# KiCad board Joystick_breakout.kicad_pcb (continued)
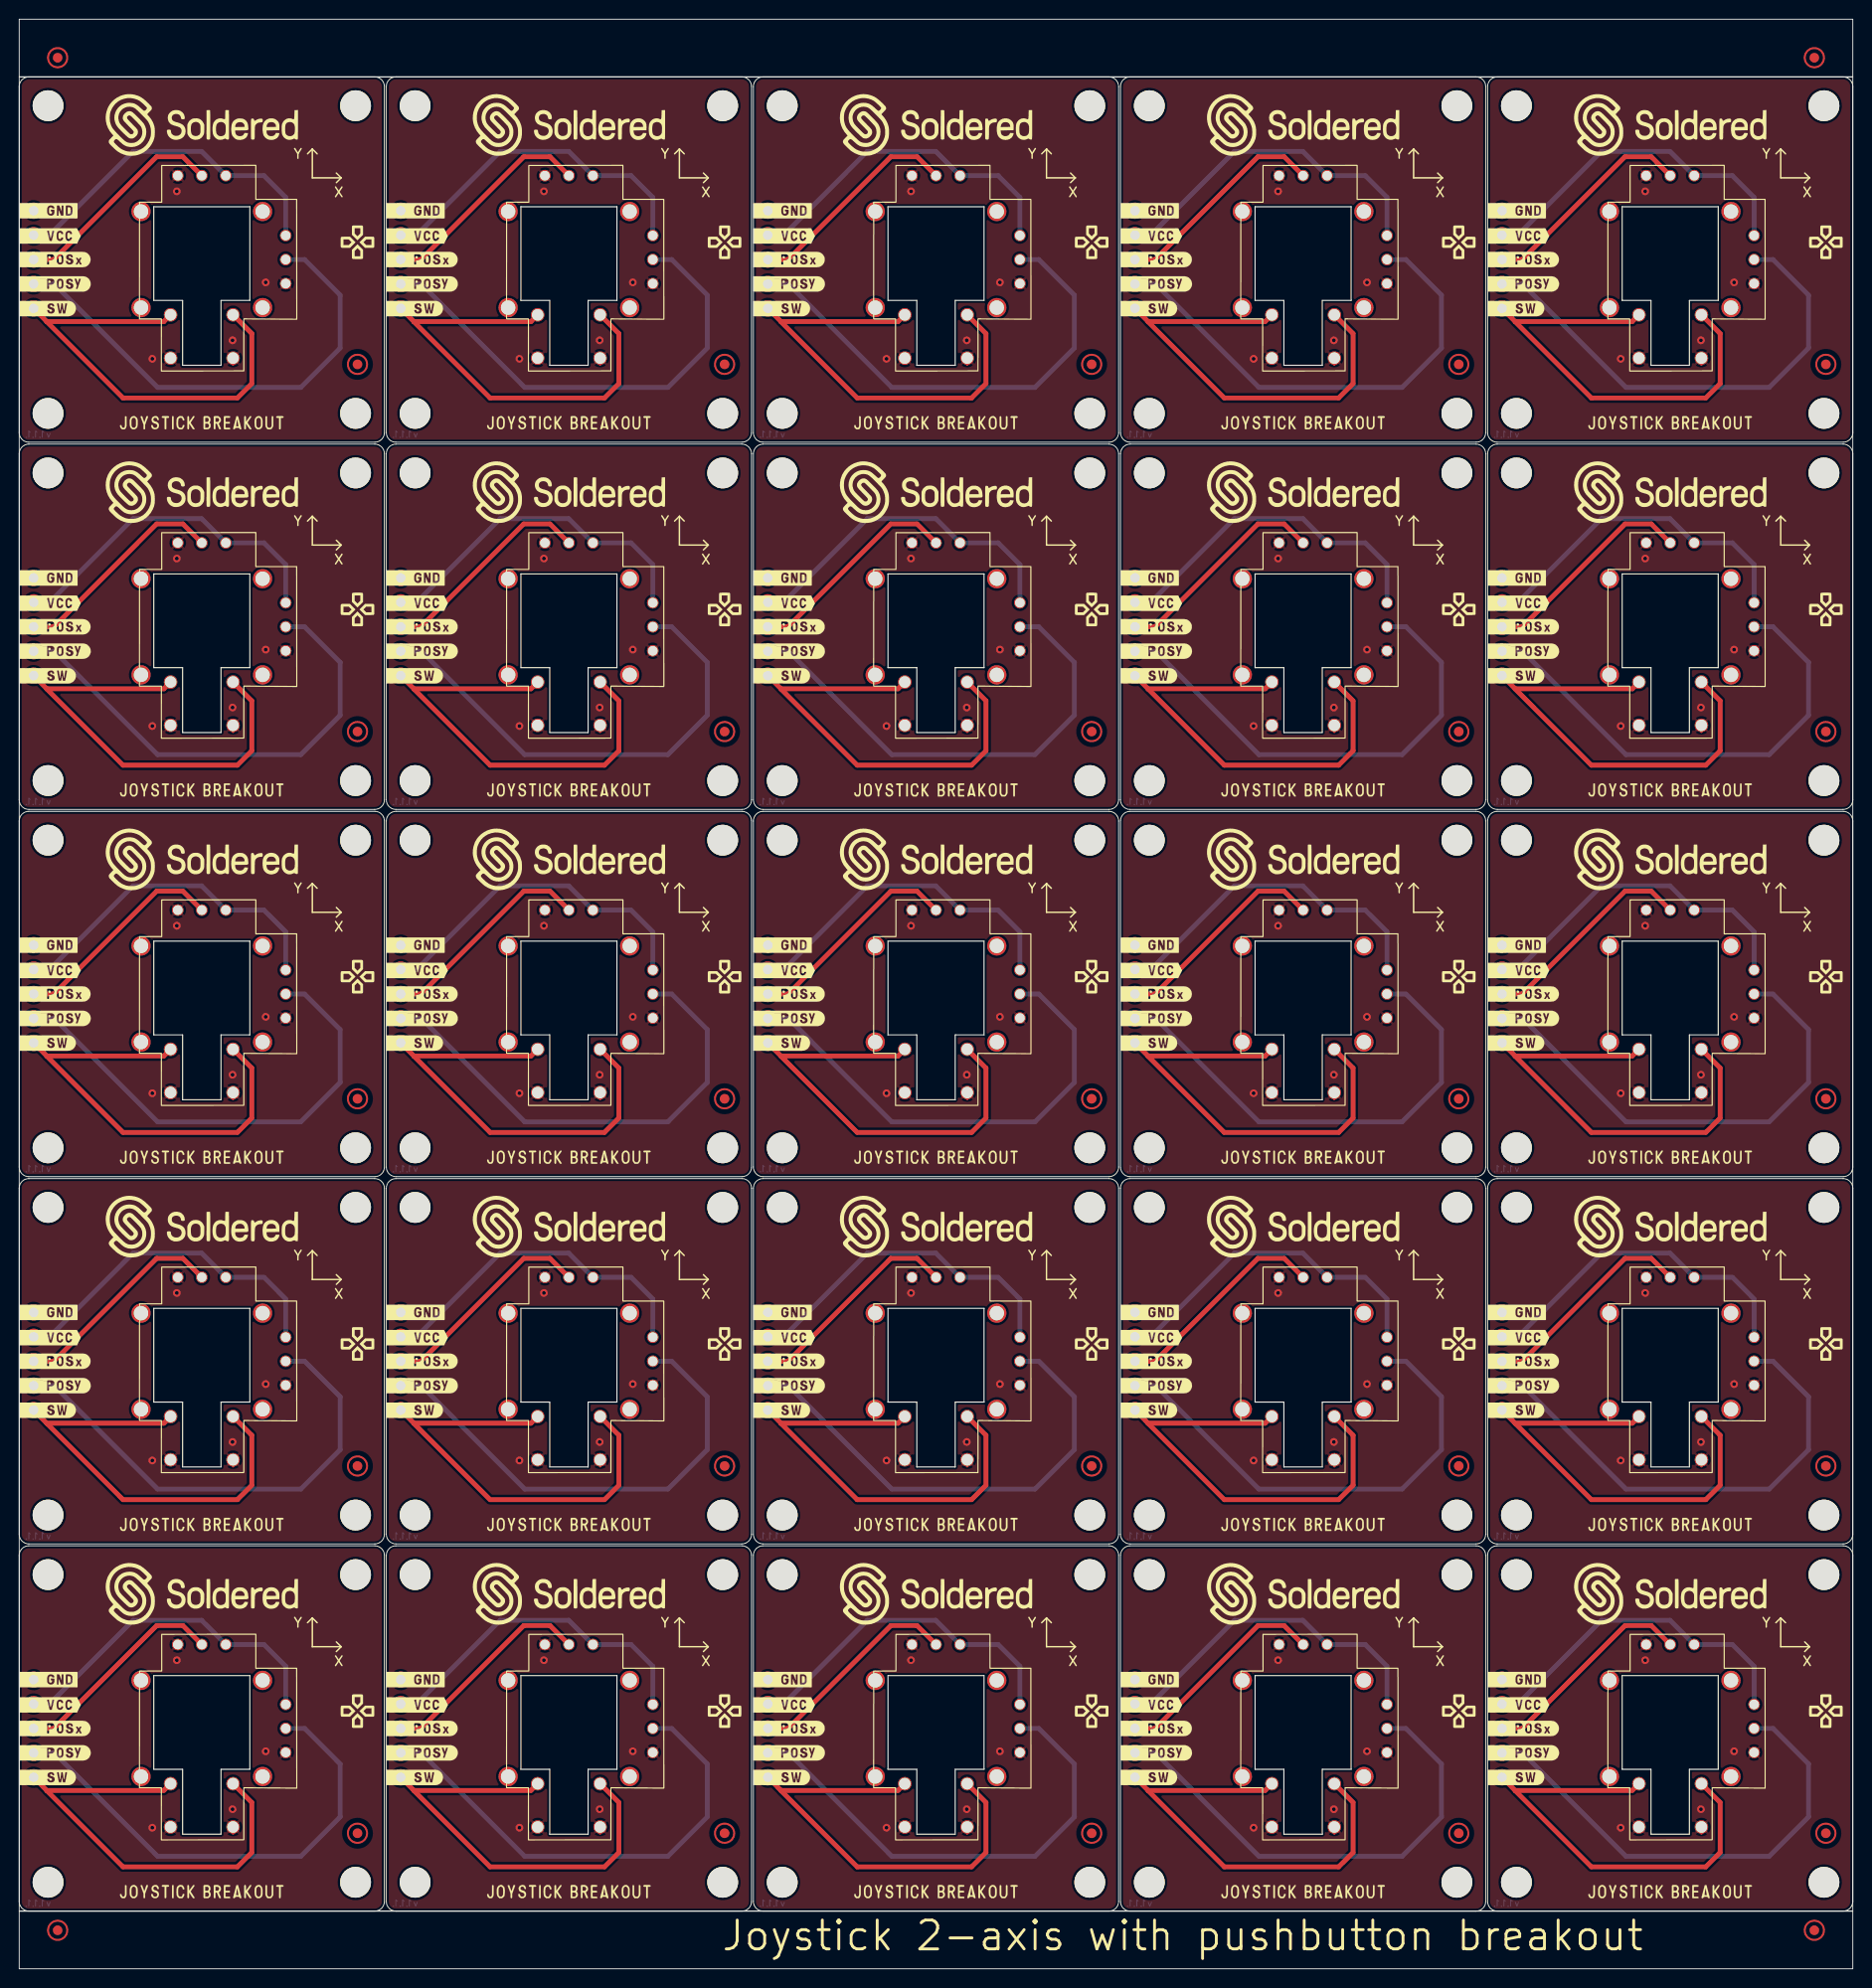
[diagram p0: board, top side]
## Placement (name value [footprint] x y rotation side) (continued)
NOREF  -  [buzzardLabel]  -0.4 60.66 0 top
NOREF#2  -  [buzzardLabel]  19 122.6 0 top
NOREF#3  -  [buzzardLabel]  76 19.9 0 top
NOREF#4  -  [buzzardLabel]  152.4 182.88 0 top
NOREF#5  -  [buzzardLabel]  152.4 144.68 0 top
NOREF#6  -  [buzzardLabel]  57.2 8 0 top
NOREF#7  -  [buzzardLabel]  76 58.1 0 top
NOREF#8  -  [buzzardLabel]  -0.4 137.06 0 top
NOREF#9  -  [buzzardLabel]  76 103.85 0 top
NOREF#10  -  [buzzardLabel]  95.4 46.2 0 top
NOREF#11  -  [buzzardLabel]  37.8 103.85 0 top
NOREF#12  -  [buzzardLabel]  171.8 160.8 0 top
NOREF#13  -  [buzzardLabel]  133.6 122.6 0 top
NOREF#14  -  [buzzardLabel]  19 46.2 0 top
NOREF#15  -  [buzzardLabel]  37.8 175.26 0 top
NOREF#16  -  [buzzardLabel]  133.6 8 0 top
NOREF#17  -  [buzzardLabel]  152.4 134.5 0 top
NOREF#18  -  [buzzardLabel]  114.2 19.9 0 top
NOREF#19  -  [buzzardLabel]  -0.4 65.65 0 top
NOREF#20  -  [buzzardLabel]  76 65.65 0 top
NOREF#21  -  [buzzardLabel]  -0.4 27.45 0 top
NOREF#22  -  [buzzardLabel]  114.2 98.86 0 top
NOREF#23  -  [buzzardLabel]  152.4 25 0 top
NOREF#24  -  [buzzardLabel]  114.2 106.48 0 top
NOREF#25  -  [buzzardLabel]  37.8 139.6 0 top
NOREF#26  -  [buzzardLabel]  37.8 177.8 0 top
NOREF#27  -  [buzzardLabel]  76 60.66 0 top
NOREF#28  -  [buzzardLabel]  37.8 106.48 0 top
NOREF#29  -  [buzzardLabel]  76 137.06 0 top
NOREF#30  -  [buzzardLabel]  37.8 96.3 0 top
NOREF#31  -  [buzzardLabel]  152.4 68.28 0 top
NOREF#32  -  [buzzardLabel]  95.4 8 0 top
NOREF#33  -  [buzzardLabel]  152.4 175.26 0 top
NOREF#34  -  [buzzardLabel]  37.8 30.08 0 top
NOREF#35  -  [buzzardLabel]  37.8 22.46 0 top
NOREF#36  -  [buzzardLabel]  76 22.46 0 top
NOREF#37  -  [buzzardLabel]  152.4 60.66 0 top
NOREF#38  -  [buzzardLabel]  76 182.88 0 top
NOREF#39  -  [buzzardLabel]  37.8 58.1 0 top
NOREF#40  -  [buzzardLabel]  76 139.6 0 top
NOREF#41  -  [buzzardLabel]  -0.4 177.8 0 top
NOREF#42  -  [buzzardLabel]  76 180.25 0 top
NOREF#43  -  [buzzardLabel]  -0.4 19.9 0 top
NOREF#44  -  [buzzardLabel]  -0.4 142.05 0 top
NOREF#45  -  [buzzardLabel]  -0.4 96.3 0 top
NOREF#46  -  [buzzardLabel]  114.2 63.2 0 top
NOREF#47  -  [buzzardLabel]  19 160.8 0 top
NOREF#48  -  [buzzardLabel]  114.2 103.85 0 top
NOREF#49  -  [buzzardLabel]  76 68.28 0 top
NOREF#50  -  [buzzardLabel]  152.4 19.9 0 top
NOREF#51  -  [buzzardLabel]  95.4 160.8 0 top
NOREF#52  -  [buzzardLabel]  114.2 142.05 0 top
NOREF#53  -  [buzzardLabel]  37.8 144.68 0 top
NOREF#54  -  [buzzardLabel]  37.8 182.88 0 top
NOREF#55  -  [buzzardLabel]  -0.4 101.4 0 top
NOREF#56  -  [buzzardLabel]  37.8 142.05 0 top
NOREF#57  -  [buzzardLabel]  19 84.4 0 top
NOREF#58  -  [buzzardLabel]  152.4 65.65 0 top
NOREF#59  -  [buzzardLabel]  114.2 134.5 0 top
NOREF#60  -  [buzzardLabel]  76 134.5 0 top
NOREF#61  -  [buzzardLabel]  114.2 96.3 0 top
NOREF#62  -  [buzzardLabel]  114.2 137.06 0 top
NOREF#63  -  [buzzardLabel]  152.4 142.05 0 top
NOREF#64  -  [buzzardLabel]  95.4 84.4 0 top
NOREF#65  -  [buzzardLabel]  -0.4 63.2 0 top
NOREF#66  -  [buzzardLabel]  -0.4 25 0 top
NOREF#67  -  [buzzardLabel]  133.6 46.2 0 top
NOREF#68  -  [buzzardLabel]  37.8 63.2 0 top
NOREF#69  -  [buzzardLabel]  -0.4 103.85 0 top
NOREF#70  -  [buzzardLabel]  -0.4 22.46 0 top
NOREF#71  -  [buzzardLabel]  152.4 172.7 0 top
NOREF#72  -  [buzzardLabel]  114.2 101.4 0 top
NOREF#73  -  [buzzardLabel]  -0.4 182.88 0 top
NOREF#74  -  [buzzardLabel]  114.2 144.68 0 top
NOREF#75  -  [buzzardLabel]  152.4 63.2 0 top
NOREF#76  -  [buzzardLabel]  37.8 98.86 0 top
NOREF#77  -  [buzzardLabel]  114.2 139.6 0 top
NOREF#78  -  [buzzardLabel]  -0.4 139.6 0 top
NOREF#79  -  [buzzardLabel]  37.8 60.66 0 top
NOREF#80  -  [buzzardLabel]  37.8 101.4 0 top
NOREF#81  -  [buzzardLabel]  57.2 84.4 0 top
NOREF#82  -  [buzzardLabel]  76 98.86 0 top
NOREF#83  -  [buzzardLabel]  114.2 172.7 0 top
NOREF#84  -  [buzzardLabel]  133.6 84.4 0 top
NOREF#85  -  [buzzardLabel]  19 8 0 top
NOREF#86  -  [buzzardLabel]  76 142.05 0 top
NOREF#87  -  [buzzardLabel]  95.4 122.6 0 top
NOREF#88  -  [buzzardLabel]  171.8 122.6 0 top
NOREF#89  -  [buzzardLabel]  152.4 180.25 0 top
NOREF#90  -  [buzzardLabel]  57.2 122.6 0 top
NOREF#91  -  [buzzardLabel]  152.4 58.1 0 top
NOREF#92  -  [buzzardLabel]  57.2 160.8 0 top
NOREF#93  -  [buzzardLabel]  76 27.45 0 top
NOREF#94  -  [buzzardLabel]  171.8 84.4 0 top
NOREF#95  -  [buzzardLabel]  76 96.3 0 top
NOREF#96  -  [buzzardLabel]  76 172.7 0 top
NOREF#97  -  [buzzardLabel]  152.4 27.45 0 top
NOREF#98  -  [buzzardLabel]  114.2 27.45 0 top
NOREF#99  -  [buzzardLabel]  -0.4 144.68 0 top
NOREF#100  -  [buzzardLabel]  37.8 172.7 0 top
NOREF#101  -  [buzzardLabel]  114.2 60.66 0 top
NOREF#102  -  [buzzardLabel]  152.4 106.48 0 top
NOREF#103  -  [buzzardLabel]  -0.4 98.86 0 top
NOREF#104  -  [buzzardLabel]  -0.4 175.26 0 top
NOREF#105  -  [buzzardLabel]  114.2 175.26 0 top
NOREF#106  -  [buzzardLabel]  171.8 46.2 0 top
NOREF#107  -  [buzzardLabel]  37.8 134.5 0 top
NOREF#108  -  [buzzardLabel]  76 177.8 0 top
NOREF#109  -  [buzzardLabel]  -0.4 172.7 0 top
NOREF#110  -  [buzzardLabel]  37.8 27.45 0 top
NOREF#111  -  [buzzardLabel]  37.8 65.65 0 top
NOREF#112  -  [buzzardLabel]  -0.4 106.48 0 top
NOREF#113  -  [buzzardLabel]  37.8 19.9 0 top
NOREF#114  -  [buzzardLabel]  37.8 180.25 0 top
NOREF#115  -  [buzzardLabel]  -0.4 134.5 0 top
NOREF#116  -  [buzzardLabel]  114.2 180.25 0 top
NOREF#117  -  [buzzardLabel]  152.4 22.46 0 top
NOREF#118  -  [buzzardLabel]  152.4 139.6 0 top
NOREF#119  -  [buzzardLabel]  57.2 46.2 0 top
NOREF#120  -  [buzzardLabel]  152.4 103.85 0 top
NOREF#121  -  [buzzardLabel]  -0.4 180.25 0 top
NOREF#122  -  [buzzardLabel]  114.2 58.1 0 top
NOREF#123  -  [buzzardLabel]  76 25 0 top
NOREF#124  -  [buzzardLabel]  152.4 137.06 0 top
NOREF#125  -  [buzzardLabel]  152.4 96.3 0 top
NOREF#126  -  [buzzardLabel]  152.4 177.8 0 top
NOREF#127  -  [buzzardLabel]  -0.4 30.08 0 top
NOREF#128  -  [buzzardLabel]  152.4 98.86 0 top
NOREF#129  -  [buzzardLabel]  114.2 177.8 0 top
NOREF#130  -  [buzzardLabel]  114.2 68.28 0 top
NOREF#131  -  [buzzardLabel]  76 106.48 0 top
NOREF#132  -  [buzzardLabel]  76 144.68 0 top
NOREF#133  -  [buzzardLabel]  114.2 65.65 0 top
NOREF#134  -  [buzzardLabel]  -0.4 58.1 0 top
NOREF#135  -  [buzzardLabel]  37.8 68.28 0 top
NOREF#136  -  [buzzardLabel]  -0.4 68.28 0 top
NOREF#137  -  [buzzardLabel]  76 30.08 0 top
NOREF#138  -  [buzzardLabel]  76 101.4 0 top
NOREF#139  -  [buzzardLabel]  114.2 22.46 0 top
NOREF#140  -  [buzzardLabel]  152.4 30.08 0 top
NOREF#141  -  [buzzardLabel]  114.2 30.08 0 top
NOREF#142  -  [buzzardLabel]  76 63.2 0 top
NOREF#143  -  [buzzardLabel]  133.6 160.8 0 top
NOREF#144  -  [buzzardLabel]  114.2 182.88 0 top
NOREF#145  -  [buzzardLabel]  37.8 137.06 0 top
NOREF#146  -  [buzzardLabel]  76 175.26 0 top
NOREF#147  -  [buzzardLabel]  114.2 25 0 top
NOREF#148  -  [buzzardLabel]  152.4 101.4 0 top
NOREF#149  -  [buzzardLabel]  171.8 8 0 top
NOREF#150  -  [buzzardLabel]  37.8 25 0 top
REF**  Logo-Front-SolderedFULL-20mm  [Logo-Back-SolderedFULL-20mm]  95.4 78.2 0 top
REF**#2  Logo-Front-SolderedFULL-20mm  [Logo-Back-SolderedFULL-20mm]  95.4 154.6 0 top
REF**#3  Logo-Front-SolderedFULL-20mm  [Logo-Back-SolderedFULL-20mm]  57.2 78.2 0 top
REF**#4  Logo-Front-SolderedFULL-20mm  [Logo-Back-SolderedFULL-20mm]  19 192.8 0 top
REF**#5  Logo-Front-SolderedFULL-20mm  [Logo-Back-SolderedFULL-20mm]  133.6 40 0 top
REF**#6  Logo-Front-SolderedFULL-20mm  [Logo-Back-SolderedFULL-20mm]  19 78.2 0 top
REF**#7  Logo-Front-SolderedFULL-20mm  [Logo-Back-SolderedFULL-20mm]  133.6 154.6 0 top
REF**#8  Logo-Front-SolderedFULL-20mm  [Logo-Back-SolderedFULL-20mm]  133.6 116.4 0 top
REF**#9  Logo-Front-SolderedFULL-20mm  [Logo-Back-SolderedFULL-20mm]  95.4 192.8 0 top
REF**#10  Logo-Front-SolderedFULL-20mm  [Logo-Back-SolderedFULL-20mm]  57.2 40 0 top
REF**#11  Logo-Front-SolderedFULL-20mm  [Logo-Back-SolderedFULL-20mm]  95.4 116.4 0 top
REF**#12  Logo-Front-SolderedFULL-20mm  [Logo-Back-SolderedFULL-20mm]  19 40 0 top
REF**#13  Logo-Front-SolderedFULL-20mm  [Logo-Back-SolderedFULL-20mm]  19 116.4 0 top
REF**#14  Logo-Front-SolderedFULL-20mm  [Logo-Back-SolderedFULL-20mm]  171.8 154.6 0 top
REF**#15  Logo-Front-SolderedFULL-20mm  [Logo-Back-SolderedFULL-20mm]  171.8 192.8 0 top
REF**#16  Logo-Front-SolderedFULL-20mm  [Logo-Back-SolderedFULL-20mm]  171.8 40 0 top
REF**#17  Logo-Front-SolderedFULL-20mm  [Logo-Back-SolderedFULL-20mm]  133.6 192.8 0 top
REF**#18  Logo-Front-SolderedFULL-20mm  [Logo-Back-SolderedFULL-20mm]  57.2 192.8 0 top
REF**#19  Logo-Front-SolderedFULL-20mm  [Logo-Back-SolderedFULL-20mm]  19 154.6 0 top
REF**#20  Logo-Front-SolderedFULL-20mm  [Logo-Back-SolderedFULL-20mm]  57.2 116.4 0 top
REF**#21  Logo-Front-SolderedFULL-20mm  [Logo-Back-SolderedFULL-20mm]  95.4 40 0 top
REF**#22  Logo-Front-SolderedFULL-20mm  [Logo-Back-SolderedFULL-20mm]  171.8 78.2 0 top
REF**#23  Logo-Front-SolderedFULL-20mm  [Logo-Back-SolderedFULL-20mm]  171.8 116.4 0 top
REF**#24  Logo-Front-SolderedFULL-20mm  [Logo-Back-SolderedFULL-20mm]  57.2 154.6 0 top
REF**#25  Logo-Front-SolderedFULL-20mm  [Logo-Back-SolderedFULL-20mm]  133.6 78.2 0 top
REF**#26  -  [Version1.1.1.]  116.53 45.03 180 bottom
REF**#27  Logo-Front-SolderedFULL-20mm  [Logo-Back-SolderedFULL-20mm]  133.6 153.6 180 bottom
REF**#28  -  [Version1.1.1.]  40.12 83.23 180 bottom
REF**#29  -  [Version1.1.1.]  40.12 159.62 180 bottom
REF**#30  -  [Version1.1.1.]  116.53 159.62 180 bottom
REF**#31  Logo-Front-SolderedFULL-20mm  [Logo-Back-SolderedFULL-20mm]  19 77.2 180 bottom
REF**#32  Logo-Front-SolderedFULL-20mm  [Logo-Back-SolderedFULL-20mm]  95.4 77.2 180 bottom
REF**#33  -  [Version1.1.1.]  78.32 6.83 180 bottom
REF**#34  -  [Version1.1.1.]  78.32 121.43 180 bottom
REF**#35  -  [Version1.1.1.]  116.53 6.83 180 bottom
REF**#36  -  [Version1.1.1.]  40.12 6.83 180 bottom
REF**#37  Logo-Front-SolderedFULL-20mm  [Logo-Back-SolderedFULL-20mm]  19 39 180 bottom
REF**#38  -  [Version1.1.1.]  78.32 159.62 180 bottom
REF**#39  -  [Version1.1.1.]  154.73 159.62 180 bottom
REF**#40  -  [Version1.1.1.]  40.12 121.43 180 bottom
REF**#41  -  [Version1.1.1.]  40.12 45.03 180 bottom
REF**#42  -  [Version1.1.1.]  116.53 83.23 180 bottom
REF**#43  Logo-Front-SolderedFULL-20mm  [Logo-Back-SolderedFULL-20mm]  171.8 39 180 bottom
REF**#44  Logo-Front-SolderedFULL-20mm  [Logo-Back-SolderedFULL-20mm]  171.8 115.4 180 bottom
REF**#45  Logo-Front-SolderedFULL-20mm  [Logo-Back-SolderedFULL-20mm]  57.2 77.2 180 bottom
REF**#46  Logo-Front-SolderedFULL-20mm  [Logo-Back-SolderedFULL-20mm]  133.6 77.2 180 bottom
REF**#47  -  [Version1.1.1.]  78.32 83.23 180 bottom
REF**#48  -  [Version1.1.1.]  154.73 45.03 180 bottom
REF**#49  -  [Version1.1.1.]  1.92 45.03 180 bottom
REF**#50  -  [Version1.1.1.]  154.73 83.23 180 bottom
REF**#51  -  [Version1.1.1.]  116.53 121.43 180 bottom
REF**#52  Logo-Front-SolderedFULL-20mm  [Logo-Back-SolderedFULL-20mm]  57.2 191.8 180 bottom
REF**#53  Logo-Front-SolderedFULL-20mm  [Logo-Back-SolderedFULL-20mm]  171.8 77.2 180 bottom
REF**#54  -  [Version1.1.1.]  1.92 6.83 180 bottom
REF**#55  -  [Version1.1.1.]  1.92 159.62 180 bottom
REF**#56  -  [Version1.1.1.]  1.92 83.23 180 bottom
REF**#57  Logo-Front-SolderedFULL-20mm  [Logo-Back-SolderedFULL-20mm]  57.2 153.6 180 bottom
REF**#58  Logo-Front-SolderedFULL-20mm  [Logo-Back-SolderedFULL-20mm]  133.6 115.4 180 bottom
REF**#59  Logo-Front-SolderedFULL-20mm  [Logo-Back-SolderedFULL-20mm]  133.6 191.8 180 bottom
REF**#60  -  [Version1.1.1.]  154.73 121.43 180 bottom
REF**#61  Logo-Front-SolderedFULL-20mm  [Logo-Back-SolderedFULL-20mm]  57.2 39 180 bottom
REF**#62  -  [Version1.1.1.]  154.73 6.83 180 bottom
REF**#63  Logo-Front-SolderedFULL-20mm  [Logo-Back-SolderedFULL-20mm]  133.6 39 180 bottom
REF**#64  -  [Version1.1.1.]  78.32 45.03 180 bottom
REF**#65  Logo-Front-SolderedFULL-20mm  [Logo-Back-SolderedFULL-20mm]  95.4 39 180 bottom
REF**#66  Logo-Front-SolderedFULL-20mm  [Logo-Back-SolderedFULL-20mm]  171.8 191.8 180 bottom
REF**#67  -  [Version1.1.1.]  1.92 121.43 180 bottom
REF**#68  Logo-Front-SolderedFULL-20mm  [Logo-Back-SolderedFULL-20mm]  57.2 115.4 180 bottom
REF**#69  Logo-Front-SolderedFULL-20mm  [Logo-Back-SolderedFULL-20mm]  95.4 153.6 180 bottom
REF**#70  Logo-Front-SolderedFULL-20mm  [Logo-Back-SolderedFULL-20mm]  171.8 153.6 180 bottom
REF**#71  Logo-Front-SolderedFULL-20mm  [Logo-Back-SolderedFULL-20mm]  19 191.8 180 bottom
REF**#72  Logo-Front-SolderedFULL-20mm  [Logo-Back-SolderedFULL-20mm]  95.4 191.8 180 bottom
REF**#73  Logo-Front-SolderedFULL-20mm  [Logo-Back-SolderedFULL-20mm]  19 153.6 180 bottom
REF**#74  Logo-Front-SolderedFULL-20mm  [Logo-Back-SolderedFULL-20mm]  19 115.4 180 bottom
REF**#75  Logo-Front-SolderedFULL-20mm  [Logo-Back-SolderedFULL-20mm]  95.4 115.4 180 bottom

## Footprints (pads in the part's own frame, mm; a bottom-side part is the same pattern mirrored in y, then rotated)
FIDUCIAL_23
  round 1 smd: 1(0,0)
HEADER_MALE_5X1
  round 1.7 hole 1: 1(-5.08,0) 2(-2.54,0) 3(0,0) 4(2.54,0) 5(5.08,0)
HOLE_3.2mm
  round 3.2 hole 3.2 unplated: (0,0)
joystick
  round 2 hole 1.5: (-6.325,5) (-6.325,-5) (6.325,5) (6.325,-5)
  round 1.4 hole 1.2: 1(-3.25,-10.25) 1(3.25,-10.25) 2(-3.25,-5.75) 2(3.25,-5.75)
  round 1.2 hole 1: 3(8.73,-2.5) 4(8.73,0) 5(8.73,2.5) 6(2.5,8.73) 7(0,8.73) 8(-2.5,8.73)

## Nets
GND: K1.1 K1.3 K1.8 K1#2.1 K1#2.3 K1#2.8 K1#3.1 K1#3.3 K1#3.8 K1#4.1 K1#4.3 K1#4.8 K1#5.1 K1#5.3 K1#5.8 K1#6.1 K1#6.3 K1#6.8 K1#7.1 K1#7.3 K1#7.8 K1#8.1 K1#8.3 K1#8.8 K1#9.1 K1#9.3 K1#9.8 K1#10.1 K1#10.3 K1#10.8 K1#11.1 K1#11.3 K1#11.8 K1#12.1 K1#12.3 K1#12.8 K1#13.1 K1#13.3 K1#13.8 K1#14.1 K1#14.3 K1#14.8 K1#15.1 K1#15.3 K1#15.8 K1#16.1 K1#16.3 K1#16.8 K1#17.1 K1#17.3 K1#17.8 K1#18.1 K1#18.3 K1#18.8 K1#19.1 K1#19.3 K1#19.8 K1#20.1 K1#20.3 K1#20.8 K1#21.1 K1#21.3 K1#21.8 K1#22.1 K1#22.3 K1#22.8 K1#23.1 K1#23.3 K1#23.8 K1#24.1 K1#24.3 K1#24.8 K1#25.1 K1#25.3 K1#25.8 K2.5 K2#2.5 K2#3.5 K2#4.5 K2#5.5 K2#6.5 K2#7.5 K2#8.5 K2#9.5 K2#10.5 K2#11.5 K2#12.5 K2#13.5 K2#14.5 K2#15.5 K2#16.5 K2#17.5 K2#18.5 K2#19.5 K2#20.5 K2#21.5 K2#22.5 K2#23.5 K2#24.5 K2#25.5
VCC: K1.5 K1.6 K1#2.5 K1#2.6 K1#3.5 K1#3.6 K1#4.5 K1#4.6 K1#5.5 K1#5.6 K1#6.5 K1#6.6 K1#7.5 K1#7.6 K1#8.5 K1#8.6 K1#9.5 K1#9.6 K1#10.5 K1#10.6 K1#11.5 K1#11.6 K1#12.5 K1#12.6 K1#13.5 K1#13.6 K1#14.5 K1#14.6 K1#15.5 K1#15.6 K1#16.5 K1#16.6 K1#17.5 K1#17.6 K1#18.5 K1#18.6 K1#19.5 K1#19.6 K1#20.5 K1#20.6 K1#21.5 K1#21.6 K1#22.5 K1#22.6 K1#23.5 K1#23.6 K1#24.5 K1#24.6 K1#25.5 K1#25.6 K2.4 K2#2.4 K2#3.4 K2#4.4 K2#5.4 K2#6.4 K2#7.4 K2#8.4 K2#9.4 K2#10.4 K2#11.4 K2#12.4 K2#13.4 K2#14.4 K2#15.4 K2#16.4 K2#17.4 K2#18.4 K2#19.4 K2#20.4 K2#21.4 K2#22.4 K2#23.4 K2#24.4 K2#25.4
POSx: K1.7 K1#2.7 K1#3.7 K1#4.7 K1#5.7 K1#6.7 K1#7.7 K1#8.7 K1#9.7 K1#10.7 K1#11.7 K1#12.7 K1#13.7 K1#14.7 K1#15.7 K1#16.7 K1#17.7 K1#18.7 K1#19.7 K1#20.7 K1#21.7 K1#22.7 K1#23.7 K1#24.7 K1#25.7 K2.3 K2#2.3 K2#3.3 K2#4.3 K2#5.3 K2#6.3 K2#7.3 K2#8.3 K2#9.3 K2#10.3 K2#11.3 K2#12.3 K2#13.3 K2#14.3 K2#15.3 K2#16.3 K2#17.3 K2#18.3 K2#19.3 K2#20.3 K2#21.3 K2#22.3 K2#23.3 K2#24.3 K2#25.3
POSy: K1.4 K1#2.4 K1#3.4 K1#4.4 K1#5.4 K1#6.4 K1#7.4 K1#8.4 K1#9.4 K1#10.4 K1#11.4 K1#12.4 K1#13.4 K1#14.4 K1#15.4 K1#16.4 K1#17.4 K1#18.4 K1#19.4 K1#20.4 K1#21.4 K1#22.4 K1#23.4 K1#24.4 K1#25.4 K2.2 K2#2.2 K2#3.2 K2#4.2 K2#5.2 K2#6.2 K2#7.2 K2#8.2 K2#9.2 K2#10.2 K2#11.2 K2#12.2 K2#13.2 K2#14.2 K2#15.2 K2#16.2 K2#17.2 K2#18.2 K2#19.2 K2#20.2 K2#21.2 K2#22.2 K2#23.2 K2#24.2 K2#25.2
SW: K1.2 K1#2.2 K1#3.2 K1#4.2 K1#5.2 K1#6.2 K1#7.2 K1#8.2 K1#9.2 K1#10.2 K1#11.2 K1#12.2 K1#13.2 K1#14.2 K1#15.2 K1#16.2 K1#17.2 K1#18.2 K1#19.2 K1#20.2 K1#21.2 K1#22.2 K1#23.2 K1#24.2 K1#25.2 K2.1 K2#2.1 K2#3.1 K2#4.1 K2#5.1 K2#6.1 K2#7.1 K2#8.1 K2#9.1 K2#10.1 K2#11.1 K2#12.1 K2#13.1 K2#14.1 K2#15.1 K2#16.1 K2#17.1 K2#18.1 K2#19.1 K2#20.1 K2#21.1 K2#22.1 K2#23.1 K2#24.1 K2#25.1

Pads without a net: FD1 1; FD1#2 1; FD1#3 1; FD1#4 1; FD1#5 1; FD1#6 1; FD1#7 1; FD1#8 1; FD1#9 1; FD1#10 1; FD1#11 1; FD1#12 1; FD1#13 1; FD1#14 1; FD1#15 1; FD1#16 1; FD1#17 1; FD1#18 1; FD1#19 1; FD1#20 1; FD1#21 1; FD1#22 1; FD1#23 1; FD1#24 1; FD1#25 1; FD1#26 1; FD1#27 1; FD1#28 1; FD1#29 1

## Via types
v1: diameter 0.8, hole 0.4, Top to Bottom, 100 vias

## Routing (per net, layer and track width the routed paths; a pad name or vN(x,y) marks a point on that pad's centre or on a via; arc(x,y) is an arc through that point)
GND: length 16.9
  Top w0.25: 136.85,166.87 K1#19.1 ; 175.05,14.07 K1#15.1 ; 136.85,90.47 K1#6.1 ; 98.65,166.87 K1#12.1 ; 175.05,166.87 K1#10.1 ; 22.25,166.87 K1#14.1 ; 98.65,14.07 K1#25.1 ; 22.25,90.47 K1#7.1 ; 136.85,128.67 K1#23.1 ; 60.45,14.07 K1#17.1 ; 60.45,128.67 K1.1 ; 60.45,166.87 K1#4.1 ; 136.85,52.27 K1#5.1 ; 60.45,90.47 K1#3.1 ; 136.85,14.07 K1#18.1 ; 98.65,128.67 K1#22.1 ; 22.25,14.07 K1#24.1 ; 22.25,52.27 K1#13.1 ; 98.65,90.47 K1#21.1 ; 175.05,52.27 K1#8.1 ; 175.05,90.47 K1#9.1 ; 60.45,52.27 K1#20.1 ; 175.05,128.67 K1#16.1 ; 98.65,52.27 K1#11.1 ; 22.25,128.67 K1#2.1
  vias: v1(13.85,167.48) v1(13.85,129.28) v1(13.85,91.08) v1(13.85,52.88) v1(13.85,14.68) v1(16.4,184.9) v1(16.4,146.7) v1(16.4,108.5) v1(16.4,70.3) v1(16.4,32.1) v1(22.2,169.4) v1(22.2,131.2) v1(22.2,93) v1(22.2,54.8) v1(22.2,16.6) v1(25.65,175.43) v1(25.65,137.23) v1(25.65,99.03) v1(25.65,60.83) v1(25.65,22.62) v1(52.05,167.48) v1(52.05,129.28) v1(52.05,91.08) v1(52.05,52.88) v1(52.05,14.68) v1(54.6,184.9) v1(54.6,146.7) v1(54.6,108.5) v1(54.6,70.3) v1(54.6,32.1) v1(60.4,169.4) v1(60.4,131.2) v1(60.4,93) v1(60.4,54.8) v1(60.4,16.6) v1(63.85,175.43) v1(63.85,137.23) v1(63.85,99.03) v1(63.85,60.83) v1(63.85,22.62) v1(90.25,167.48) v1(90.25,129.28) v1(90.25,91.08) v1(90.25,52.88) v1(90.25,14.68) v1(92.8,184.9) v1(92.8,146.7) v1(92.8,108.5) v1(92.8,70.3) v1(92.8,32.1) v1(98.6,169.4) v1(98.6,131.2) v1(98.6,93) v1(98.6,54.8) v1(98.6,16.6) v1(102.05,175.43) v1(102.05,137.23) v1(102.05,99.03) v1(102.05,60.83) v1(102.05,22.62) v1(128.45,167.48) v1(128.45,129.28) v1(128.45,91.08) v1(128.45,52.88) v1(128.45,14.68) v1(131,184.9) v1(131,146.7) v1(131,108.5) v1(131,70.3) v1(131,32.1) v1(136.8,169.4) v1(136.8,131.2) v1(136.8,93) v1(136.8,54.8) v1(136.8,16.6) v1(140.25,175.43) v1(140.25,137.23) v1(140.25,99.03) v1(140.25,60.83) v1(140.25,22.62) v1(166.65,167.48) v1(166.65,129.28) v1(166.65,91.08) v1(166.65,52.88) v1(166.65,14.68) v1(169.2,184.9) v1(169.2,146.7) v1(169.2,108.5) v1(169.2,70.3) v1(169.2,32.1) v1(175,169.4) v1(175,131.2) v1(175,93) v1(175,54.8) v1(175,16.6) v1(178.45,175.43) v1(178.45,137.23) v1(178.45,99.03) v1(178.45,60.83) v1(178.45,22.62)
VCC: length 894.7
  Bottom w0.5: K1#5.5 142.33,69.67 140.07,71.93 K1#5.6 133.58,74.45 126.45,74.45 117.74,65.74 K2#10.4 ; K1.5 65.93,146.07 63.67,148.33 K1.6 57.18,150.85 50.05,150.85 41.34,142.14 K2#24.4 ; K1#8.5 180.53,69.67 178.27,71.93 K1#8.6 171.78,74.45 164.65,74.45 155.94,65.74 K2#4.4 ; K2#3.4 3.14,65.74 11.85,74.45 18.98,74.45 K1#13.6 25.47,71.93 27.73,69.67 K1#13.5 ; K2#23.4 155.94,103.94 164.65,112.65 171.78,112.65 K1#9.6 178.27,110.13 180.53,107.87 K1#9.5 ; K2#16.4 3.14,142.14 11.85,150.85 18.98,150.85 K1#2.6 25.47,148.33 27.73,146.07 K1#2.5 ; K1#19.5 142.33,184.27 140.07,186.53 K1#19.6 133.58,189.05 126.45,189.05 117.74,180.34 K2#20.4 ; K2#11.4 3.14,103.94 11.85,112.65 18.98,112.65 K1#7.6 25.47,110.13 27.73,107.87 K1#7.5 ; K2.4 41.34,180.34 50.05,189.05 57.18,189.05 K1#4.6 63.67,186.53 65.93,184.27 K1#4.5 ; K2#17.4 117.74,142.14 126.45,150.85 133.58,150.85 K1#23.6 140.07,148.33 142.33,146.07 K1#23.5 ; K2#25.4 79.54,180.34 88.25,189.05 95.38,189.05 K1#12.6 101.87,186.53 104.13,184.27 K1#12.5 ; K1#16.5 180.53,146.07 178.27,148.33 K1#16.6 171.78,150.85 164.65,150.85 155.94,142.14 K2#18.4 ; K2#5.4 3.14,180.34 11.85,189.05 18.98,189.05 K1#14.6 25.47,186.53 27.73,184.27 K1#14.5 ; K1#6.5 142.33,107.87 140.07,110.13 K1#6.6 133.58,112.65 126.45,112.65 117.74,103.94 K2#15.4 ; K2#8.4 41.34,103.94 50.05,112.65 57.18,112.65 K1#3.6 63.67,110.13 65.93,107.87 K1#3.5 ; K2#22.4 3.14,27.54 11.85,36.25 18.98,36.25 K1#24.6 25.47,33.73 27.73,31.47 K1#24.5 ; K2#6.4 79.54,142.14 88.25,150.85 95.38,150.85 K1#22.6 101.87,148.33 104.13,146.07 K1#22.5 ; K2#13.4 79.54,65.74 88.25,74.45 95.38,74.45 K1#11.6 101.87,71.93 104.13,69.67 K1#11.5 ; K2#2.4 79.54,27.54 88.25,36.25 95.38,36.25 K1#25.6 101.87,33.73 104.13,31.47 K1#25.5 ; K1#18.5 142.33,31.47 140.07,33.73 K1#18.6 133.58,36.25 126.45,36.25 117.74,27.54 K2#19.4 ; K1#20.5 65.93,69.67 63.67,71.93 K1#20.6 57.18,74.45 50.05,74.45 41.34,65.74 K2#21.4 ; K1#17.5 65.93,31.47 63.67,33.73 K1#17.6 57.18,36.25 50.05,36.25 41.34,27.54 K2#14.4 ; K1#21.5 104.13,107.87 101.87,110.13 K1#21.6 95.38,112.65 88.25,112.65 79.54,103.94 K2#12.4 ; K2#7.4 155.94,180.34 164.65,189.05 171.78,189.05 K1#10.6 178.27,186.53 180.53,184.27 K1#10.5 ; K1#15.5 180.53,31.47 178.27,33.73 K1#15.6 171.78,36.25 164.65,36.25 155.94,27.54 K2#9.4
POSx: length 568.7
  Top w0.5: K1#24.7 17.03,35.7 14.3,35.7 3.6,25 K2#22.3 ; K1#7.7 17.03,112.1 14.3,112.1 3.6,101.4 K2#11.3 ; K2.3 41.8,177.8 52.5,188.5 55.23,188.5 K1#4.7 ; K1#5.7 131.63,73.9 128.9,73.9 118.2,63.2 K2#10.3 ; K1#21.7 93.43,112.1 90.7,112.1 80,101.4 K2#12.3 ; K1#14.7 17.03,188.5 14.3,188.5 3.6,177.8 K2#5.3 ; K2#17.3 118.2,139.6 128.9,150.3 131.63,150.3 K1#23.7 ; K2#19.3 118.2,25 128.9,35.7 131.63,35.7 K1#18.7 ; K2#18.3 156.4,139.6 167.1,150.3 169.83,150.3 K1#16.7 ; K1#12.7 93.43,188.5 90.7,188.5 80,177.8 K2#25.3 ; K2#7.3 156.4,177.8 167.1,188.5 169.83,188.5 K1#10.7 ; K2#16.3 3.6,139.6 14.3,150.3 17.03,150.3 K1#2.7 ; K1#11.7 93.43,73.9 90.7,73.9 80,63.2 K2#13.3 ; K1#25.7 93.43,35.7 90.7,35.7 80,25 K2#2.3 ; K2#3.3 3.6,63.2 14.3,73.9 17.03,73.9 K1#13.7 ; K1#15.7 169.83,35.7 167.1,35.7 156.4,25 K2#9.3 ; K2#23.3 156.4,101.4 167.1,112.1 169.83,112.1 K1#9.7 ; K1#17.7 55.23,35.7 52.5,35.7 41.8,25 K2#14.3 ; K2#4.3 156.4,63.2 167.1,73.9 169.83,73.9 K1#8.7 ; K2#20.3 118.2,177.8 128.9,188.5 131.63,188.5 K1#19.7 ; K1.7 55.23,150.3 52.5,150.3 41.8,139.6 K2#24.3 ; K1#6.7 131.63,112.1 128.9,112.1 118.2,101.4 K2#15.3 ; K1#3.7 55.23,112.1 52.5,112.1 41.8,101.4 K2#8.3 ; K2#6.3 80,139.6 90.7,150.3 93.43,150.3 K1#22.7 ; K1#20.7 55.23,73.9 52.5,73.9 41.8,63.2 K2#21.3
POSy: length 1268.9
  Bottom w0.5: K2#6.2 80.04,137.06 90.8,126.3 105.7,126.3 109.8,130.4 109.8,135.9 106.1,139.6 K1#22.4 ; K1#3.4 67.9,101.4 71.6,97.7 71.6,92.2 67.5,88.1 52.6,88.1 41.84,98.86 K2#8.2 ; K1#9.4 182.5,101.4 186.2,97.7 186.2,92.2 182.1,88.1 167.2,88.1 156.44,98.86 K2#23.2 ; K1#5.4 144.3,63.2 148,59.5 148,54 143.9,49.9 129,49.9 118.24,60.66 K2#10.2 ; K2#16.2 3.64,137.06 14.4,126.3 29.3,126.3 33.4,130.4 33.4,135.9 29.7,139.6 K1#2.4 ; K2#13.2 80.04,60.66 90.8,49.9 105.7,49.9 109.8,54 109.8,59.5 106.1,63.2 K1#11.4 ; K1#17.4 67.9,25 71.6,21.3 71.6,15.8 67.5,11.7 52.6,11.7 41.84,22.46 K2#14.2 ; K1#16.4 182.5,139.6 186.2,135.9 186.2,130.4 182.1,126.3 167.2,126.3 156.44,137.06 K2#18.2 ; K2#17.2 118.24,137.06 129,126.3 143.9,126.3 148,130.4 148,135.9 144.3,139.6 K1#23.4 ; K2#7.2 156.44,175.26 167.2,164.5 182.1,164.5 186.2,168.6 186.2,174.1 182.5,177.8 K1#10.4 ; K2#5.2 3.64,175.26 14.4,164.5 29.3,164.5 33.4,168.6 33.4,174.1 29.7,177.8 K1#14.4 ; K2#19.2 118.24,22.46 129,11.7 143.9,11.7 148,15.8 148,21.3 144.3,25 K1#18.4 ; K2#24.2 41.84,137.06 52.6,126.3 67.5,126.3 71.6,130.4 71.6,135.9 67.9,139.6 K1.4 ; K1#19.4 144.3,177.8 148,174.1 148,168.6 143.9,164.5 129,164.5 118.24,175.26 K2#20.2 ; K1#15.4 182.5,25 186.2,21.3 186.2,15.8 182.1,11.7 167.2,11.7 156.44,22.46 K2#9.2 ; K2#11.2 3.64,98.86 14.4,88.1 29.3,88.1 33.4,92.2 33.4,97.7 29.7,101.4 K1#7.4 ; K2#4.2 156.44,60.66 167.2,49.9 182.1,49.9 186.2,54 186.2,59.5 182.5,63.2 K1#8.4 ; K2#21.2 41.84,60.66 52.6,49.9 67.5,49.9 71.6,54 71.6,59.5 67.9,63.2 K1#20.4 ; K2#3.2 3.64,60.66 14.4,49.9 29.3,49.9 33.4,54 33.4,59.5 29.7,63.2 K1#13.4 ; K1#6.4 144.3,101.4 148,97.7 148,92.2 143.9,88.1 129,88.1 118.24,98.86 K2#15.2 ; K2#25.2 80.04,175.26 90.8,164.5 105.7,164.5 109.8,168.6 109.8,174.1 106.1,177.8 K1#12.4 ; K1#25.4 106.1,25 109.8,21.3 109.8,15.8 105.7,11.7 90.8,11.7 80.04,22.46 K2#2.2 ; K2.2 41.84,175.26 52.6,164.5 67.5,164.5 71.6,168.6 71.6,174.1 67.9,177.8 K1#4.4 ; K1#21.4 106.1,101.4 109.8,97.7 109.8,92.2 105.7,88.1 90.8,88.1 80.04,98.86 K2#12.2 ; K1#24.4 29.7,25 33.4,21.3 33.4,15.8 29.3,11.7 14.4,11.7 3.64,22.46 K2#22.2
SW: length 1216.9
  Top w0.25: K1#10.2 168.8,171.8 ; K1.2 54.2,133.6 ; K1#7.2 16,95.4 ; K1#22.2 92.4,133.6 ; K1#6.2 130.6,95.4 ; K1#21.2 92.4,95.4 ; K1#12.2 92.4,171.8 ; K1#13.2 16,57.2 ; K1#20.2 54.2,57.2 ; K1#15.2 168.8,19 ; K1#25.2 92.4,19 ; K1#4.2 54.2,171.8 ; K1#19.2 130.6,171.8 ; K1#14.2 16,171.8 ; K1#23.2 130.6,133.6 ; K1#5.2 130.6,57.2 ; K1#8.2 168.8,57.2 ; K1#11.2 92.4,57.2 ; K1#16.2 168.8,133.6 ; K1#18.2 130.6,19 ; K1#2.2 16,133.6 ; K1#9.2 168.8,95.4 ; K1#3.2 54.2,95.4 ; K1#24.2 16,19 ; K1#17.2 54.2,19
  Top w0.5: K2#12.1 79.27,94.95 ; 79.27,94.95 91.45,94.95 K1#21.2 ; 79.27,94.95 79.27,94.93 87.2,87 99.1,87 100.6,88.5 100.6,93.7 K1#21.2 ; 2.87,133.15 2.87,133.13 10.8,125.2 22.7,125.2 24.2,126.7 24.2,131.9 K1#2.2 ; 2.87,133.15 K2#16.1 ; 2.87,133.15 15.05,133.15 K1#2.2 ; 155.67,94.95 155.67,94.93 163.6,87 175.5,87 177,88.5 177,93.7 K1#9.2 ; 155.67,94.95 K2#23.1 ; 155.67,94.95 167.85,94.95 K1#9.2 ; K2#10.1 117.47,56.75 ; 117.47,56.75 129.65,56.75 K1#5.2 ; 117.47,56.75 117.47,56.73 125.4,48.8 137.3,48.8 138.8,50.3 138.8,55.5 K1#5.2 ; 41.07,94.95 41.07,94.93 49,87 60.9,87 62.4,88.5 62.4,93.7 K1#3.2 ; 41.07,94.95 K2#8.1 ; 41.07,94.95 53.25,94.95 K1#3.2 ; K2.1 41.07,171.35 ; 41.07,171.35 53.25,171.35 K1#4.2 ; 41.07,171.35 41.07,171.33 49,163.4 60.9,163.4 62.4,164.9 62.4,170.1 K1#4.2 ; K1#14.2 24.2,170.1 24.2,164.9 22.7,163.4 10.8,163.4 2.87,171.33 2.87,171.35 ; 79.27,171.35 91.45,171.35 K1#12.2 ; 79.27,171.35 79.27,171.33 87.2,163.4 99.1,163.4 100.6,164.9 100.6,170.1 K1#12.2 ; 79.27,171.35 K2#25.1 ; K2#5.1 2.87,171.35 ; 2.87,171.35 15.05,171.35 K1#14.2 ; K1#24.2 15.05,18.55 2.87,18.55 ; 79.27,56.75 91.45,56.75 K1#11.2 ; 79.27,56.75 79.27,56.73 87.2,48.8 99.1,48.8 100.6,50.3 100.6,55.5 K1#11.2 ; 79.27,56.75 K2#13.1 ; 41.07,56.75 53.25,56.75 K1#20.2 ; 41.07,56.75 41.07,56.73 49,48.8 60.9,48.8 62.4,50.3 62.4,55.5 K1#20.2 ; 41.07,56.75 K2#21.1 ; K1#8.2 167.85,56.75 155.67,56.75 ; 2.87,94.95 2.87,94.93 10.8,87 22.7,87 24.2,88.5 24.2,93.7 K1#7.2 ; 2.87,94.95 K2#11.1 ; 2.87,94.95 15.05,94.95 K1#7.2 ; K1#13.2 15.05,56.75 2.87,56.75 ; K2#14.1 41.07,18.55 ; 41.07,18.55 41.07,18.53 49,10.6 60.9,10.6 62.4,12.1 62.4,17.3 K1#17.2 ; 41.07,18.55 53.25,18.55 K1#17.2 ; K1#19.2 129.65,171.35 117.47,171.35 ; 117.47,18.55 117.47,18.53 125.4,10.6 137.3,10.6 138.8,12.1 138.8,17.3 K1#18.2 ; 117.47,18.55 129.65,18.55 K1#18.2 ; 117.47,18.55 K2#19.1 ; K2#17.1 117.47,133.15 ; 117.47,133.15 117.47,133.13 125.4,125.2 137.3,125.2 138.8,126.7 138.8,131.9 K1#23.2 ; 117.47,133.15 129.65,133.15 K1#23.2 ; K1#10.2 167.85,171.35 155.67,171.35 ; K1#6.2 129.65,94.95 117.47,94.95 ; K1#10.2 177,170.1 177,164.9 175.5,163.4 163.6,163.4 155.67,171.33 155.67,171.35 ; K1#13.2 24.2,55.5 24.2,50.3 22.7,48.8 10.8,48.8 2.87,56.73 2.87,56.75 ; K2#6.1 79.27,133.15 ; 79.27,133.15 79.27,133.13 87.2,125.2 99.1,125.2 100.6,126.7 100.6,131.9 K1#22.2 ; 79.27,133.15 91.45,133.15 K1#22.2 ; K2#9.1 155.67,18.55 ; 155.67,18.55 155.67,18.53 163.6,10.6 175.5,10.6 177,12.1 177,17.3 K1#15.2 ; 155.67,18.55 167.85,18.55 K1#15.2 ; 117.47,94.95 117.47,94.93 125.4,87 137.3,87 138.8,88.5 138.8,93.7 K1#6.2 ; 117.47,94.95 K2#15.1 ; K1.2 53.25,133.15 41.07,133.15 ; 2.87,56.75 K2#3.1 ; 2.87,18.55 2.87,18.53 10.8,10.6 22.7,10.6 24.2,12.1 24.2,17.3 K1#24.2 ; 2.87,18.55 K2#22.1 ; 155.67,56.75 155.67,56.73 163.6,48.8 175.5,48.8 177,50.3 177,55.5 K1#8.2 ; 155.67,56.75 K2#4.1 ; 79.27,18.55 91.45,18.55 K1#25.2 ; 79.27,18.55 79.27,18.53 87.2,10.6 99.1,10.6 100.6,12.1 100.6,17.3 K1#25.2 ; 79.27,18.55 K2#2.1 ; 155.67,133.15 167.85,133.15 K1#16.2 ; 155.67,133.15 K2#18.1 ; 155.67,133.15 155.67,133.13 163.6,125.2 175.5,125.2 177,126.7 177,131.9 K1#16.2 ; K1#19.2 138.8,170.1 138.8,164.9 137.3,163.4 125.4,163.4 117.47,171.33 117.47,171.35 ; K2#7.1 155.67,171.35 ; 41.07,133.15 K2#24.1 ; 41.07,133.15 41.07,133.13 49,125.2 60.9,125.2 62.4,126.7 62.4,131.9 K1.2 ; 117.47,171.35 K2#20.1

## Copper pours and planes (outline as drawn; the poured copper is in the pictures)
GND on Top, Bottom: 190.8,158.8 152.8,158.8 152.8,196.8 190.8,196.8
GND on Top, Bottom: 38,120.6 0,120.6 0,158.6 38,158.6
GND on Top, Bottom: 190.8,44.2 152.8,44.2 152.8,82.2 190.8,82.2
GND on Top, Bottom: 190.8,82.4 152.8,82.4 152.8,120.4 190.8,120.4
GND on Top, Bottom: 76.2,120.6 38.2,120.6 38.2,158.6 76.2,158.6
GND on Top, Bottom: 114.4,82.4 76.4,82.4 76.4,120.4 114.4,120.4
GND on Top, Bottom: 190.8,6 152.8,6 152.8,44 190.8,44
GND on Top, Bottom: 76.2,82.4 38.2,82.4 38.2,120.4 76.2,120.4
GND on Top, Bottom: 38,44.2 0,44.2 0,82.2 38,82.2
GND on Top, Bottom: 190.8,120.6 152.8,120.6 152.8,158.6 190.8,158.6
GND on Top, Bottom: 114.4,44.2 76.4,44.2 76.4,82.2 114.4,82.2
GND on Top, Bottom: 38,82.4 0,82.4 0,120.4 38,120.4
GND on Top, Bottom: 114.4,158.8 76.4,158.8 76.4,196.8 114.4,196.8
GND on Top, Bottom: 76.2,44.2 38.2,44.2 38.2,82.2 76.2,82.2
GND on Top, Bottom: 152.6,120.6 114.6,120.6 114.6,158.6 152.6,158.6
GND on Top, Bottom: 152.6,158.8 114.6,158.8 114.6,196.8 152.6,196.8
GND on Top, Bottom: 114.4,6 76.4,6 76.4,44 114.4,44
GND on Top, Bottom: 76.2,6 38.2,6 38.2,44 76.2,44
GND on Top, Bottom: 76.2,158.8 38.2,158.8 38.2,196.8 76.2,196.8
GND on Top, Bottom: 152.6,44.2 114.6,44.2 114.6,82.2 152.6,82.2
GND on Top, Bottom: 114.4,120.6 76.4,120.6 76.4,158.6 114.4,158.6
GND on Top, Bottom: 38,158.8 0,158.8 0,196.8 38,196.8
GND on Top, Bottom: 38,6 0,6 0,44 38,44
GND on Top, Bottom: 152.6,6 114.6,6 114.6,44 152.6,44
GND on Top, Bottom: 152.6,82.4 114.6,82.4 114.6,120.4 152.6,120.4

## Text on the board
F.Silkscreen: Y | X | Joystick 2-axis with pushbutton breakout
User.8: V-CUT
